# Altium PCB MB1419.PcbDoc (part 2 of 5) (continued)
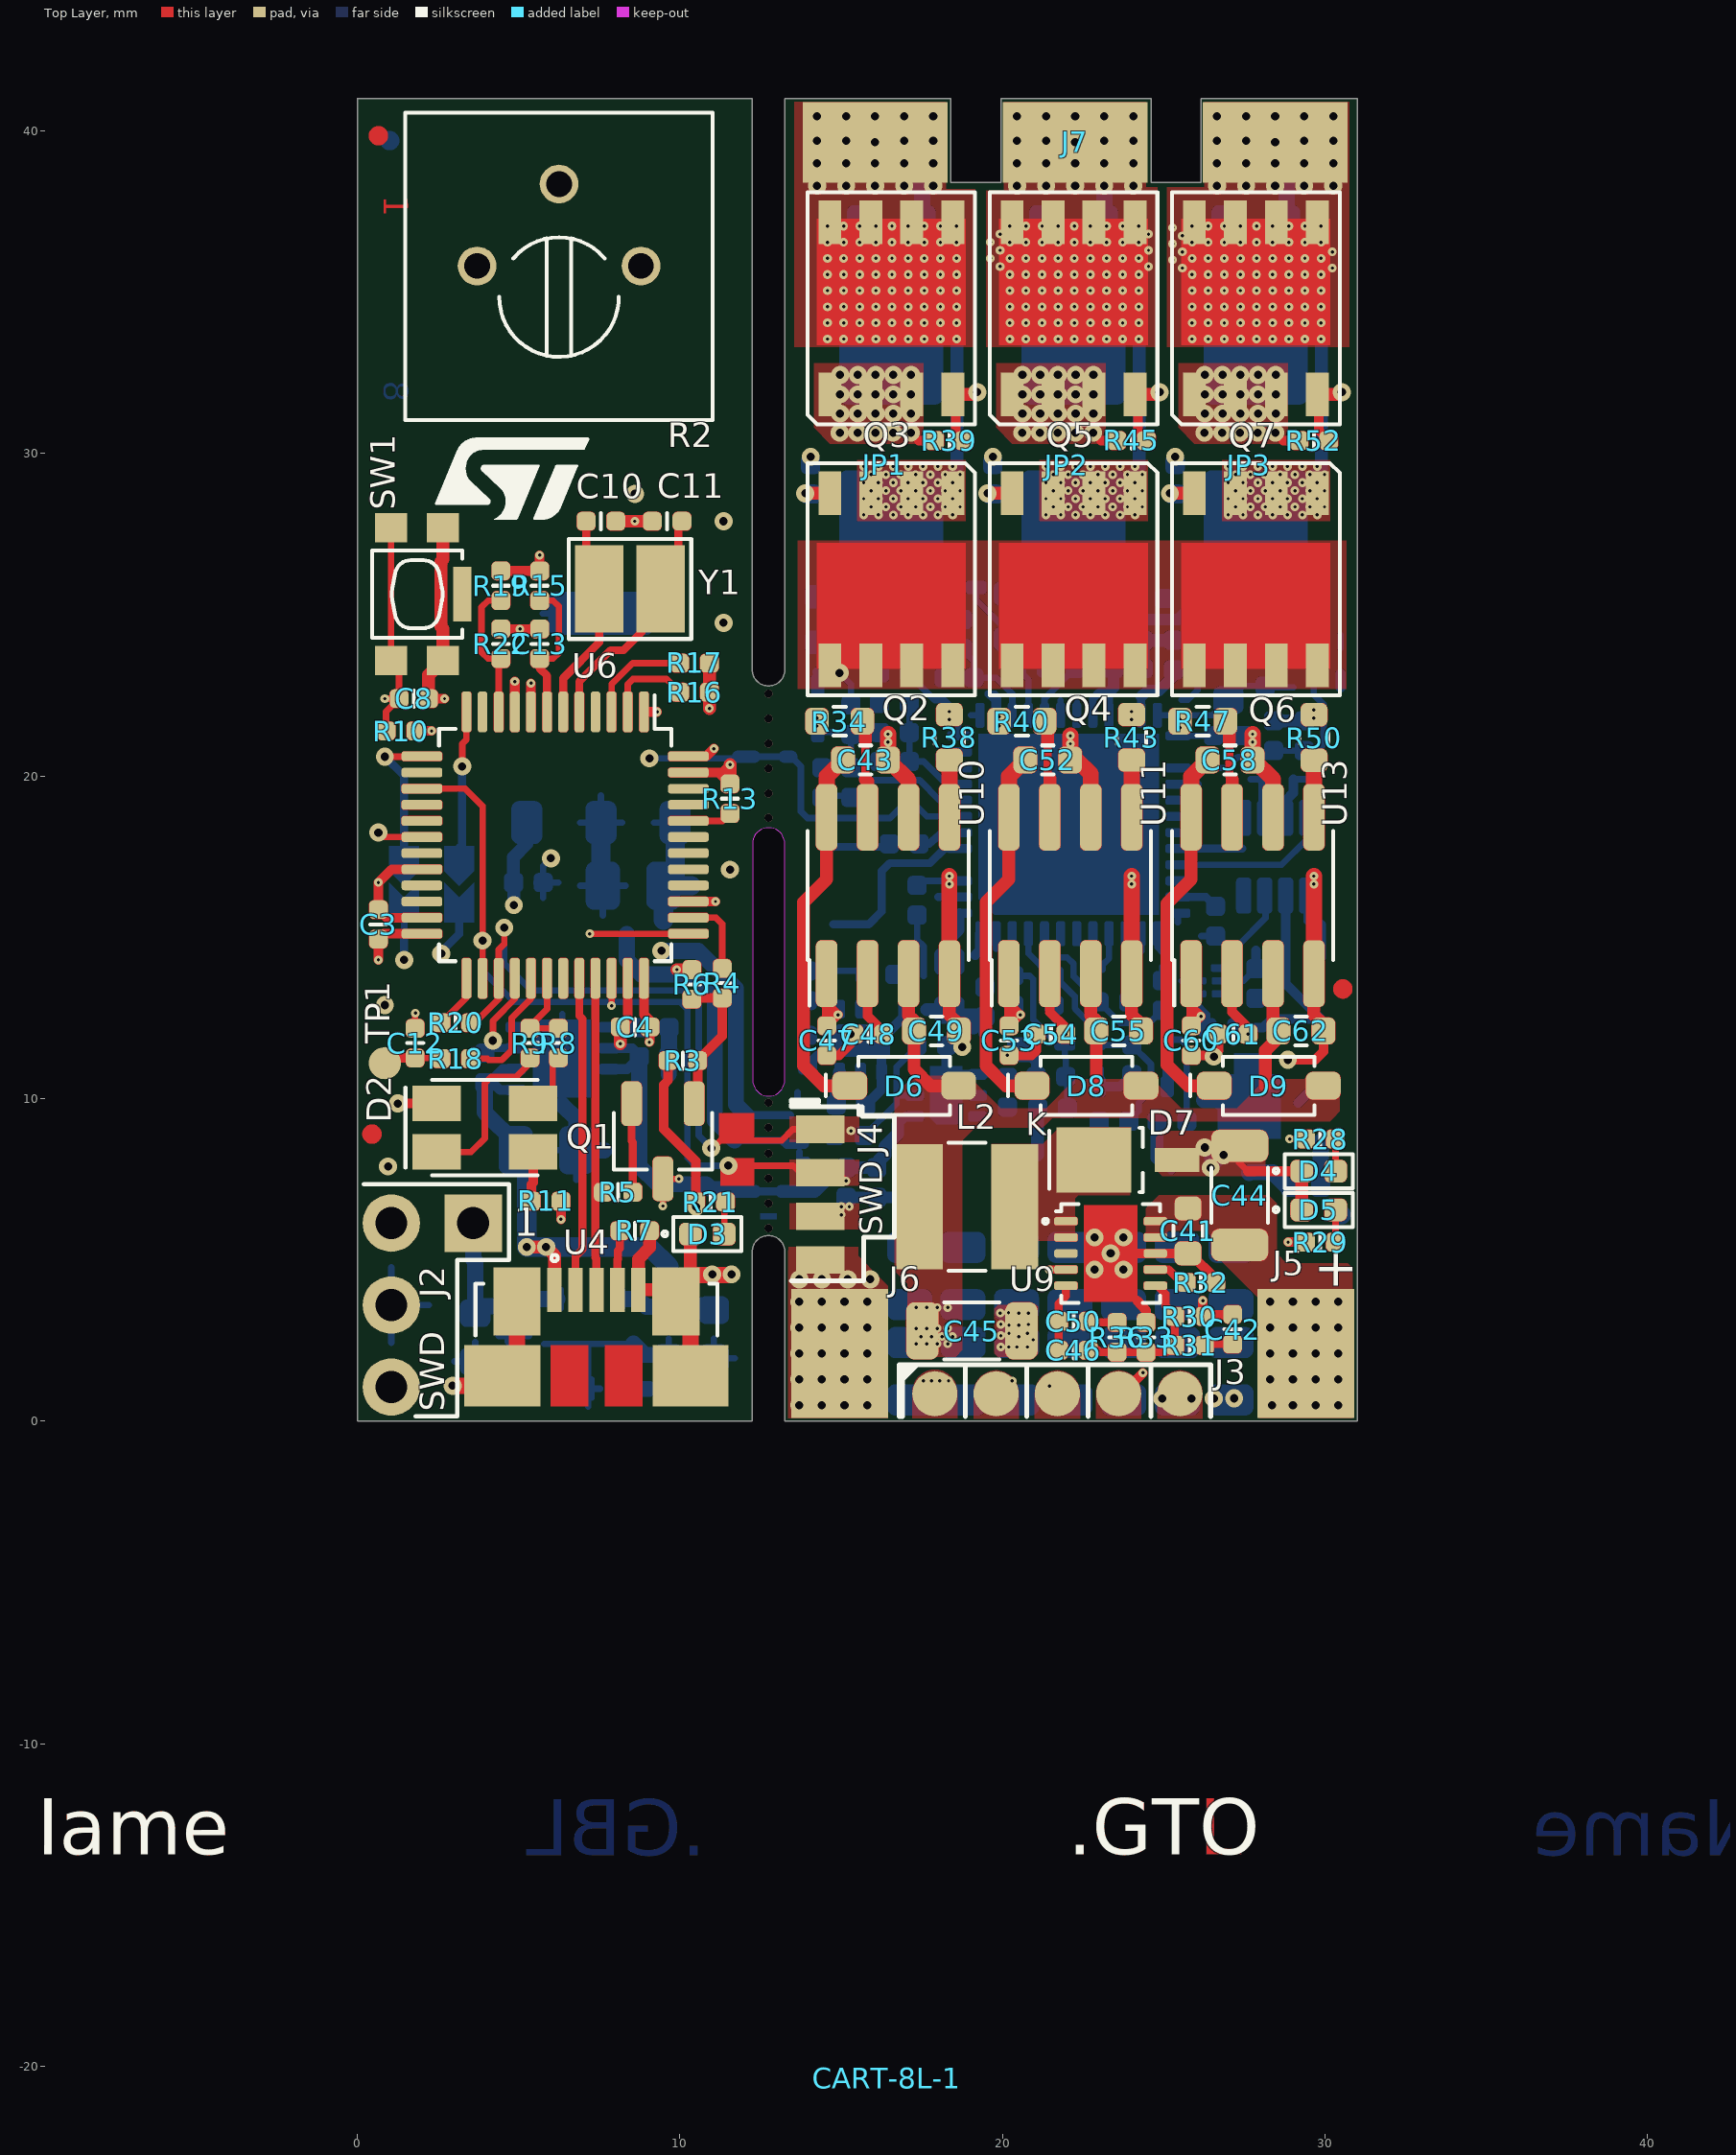
[diagram p0: Top Layer view]
## Nets (pads, with @x,y where several pads share a name; then routed paths per layer and width w, separated by ;. In a path a pad name is that pad's centre, name@x,y a point inside that pad or via, vN(x,y) a via of type N, cw(c..) or ccw(c..) an arc to the next point about the centre after c; other vN are vias at no path point) (continued)
CURR_FDBK3_OPAMP-: JP3.1 U8.19 | length 11.1
  Signal Layer 4 w0.2: v6(22.7,22.8) 22.7,23.3 22.9,23.5 24.45,23.5 25.4,24.45 25.4,26.7 26.3,27.6 26.3,29.2 26.75,29.65 JP3.1@27.34,29.65
  Signal Layer 5 w0.2: v4(22.3,22.3) 22.3,22.4 v6(22.7,22.8)
  Bottom Layer w0.2: U8.19@22.3,21.885 v4(22.3,22.3)
  other v1: 22.3,22.3
D: J1.2 U1.1 U2.7 | length 10.7
  Signal Layer 4 w0.2: v6(28.825,15.625) 28.825,13.925 29.4,13.35 v6(29.4,10.55)
  Signal Layer 5 w0.2: v4(28.15,15.6) 28.8,15.6 v6(28.825,15.625) ; v4(29.172,9.872) 29.172,10.322 v6(29.4,10.55)
  Bottom Layer w0.2: U1.1@26.805,14.05 27.04,14.05 27.3,14.31 27.3,14.75 v4(28.15,15.6) 28.15,16.295 U2.7@28.125,16.295
  Bottom Layer w0.3: v4(29.172,9.872) J1.2@29.87,10.57
  other v1: 29.172,9.872 28.15,15.6
GND: C1.2 C2.2 C3.2 C4.2 C5.2 C6.2 C7.2 C8.2 C9.2 C10.1 C11.1 C12.1 C13.2 C14.2 C15.2 C16.2 C17.2 C18.2 C19.1 C20.2 C21.2 C22.2 C23.2 C24.2 C25.2 C26.2 C27.1 C28.1 C29.1 C30.1 C31.1 C32.1 C33.1 C34.1 C35.1 C36.1 C37.1 C38.1 C39.1 C40.1 C41.2 C44.2 C45.1 C47.2 C48.2 C49.2 C51.2 C53.2 C54.2 C55.2 C56.2 C57.2 C59.2 C60.2 C61.2 C62.2 C63.2 C64.2 C65.2 C66.2 C67.2 C68.2 C69.2 C70.2 D2.C1 D3.C D4.C D5.C D7.A D20.A J1.4 J2.3 J3.5 J4.4 J6.1 J8.5 JP1.2 JP2.2 JP3.2 R2.1 R6.1 R7.1 R13.2 R14.2 R16.2 R17.2 R22.2 R32.2 R33.1 R46.2 R53.2 R54.2 R55.2 R56.2 R60.2 R76.2 R80.1 R81.1 R82.1 SW1.1 SW1.2 U1.5 U2.2 U2.8 U3.1 U4.5 U4.6 U4.7 U4.8 U4.9 U5.4 U5.9 U6.8 U6.20 U6.23 U6.35 U6.47 U7.2 U7.7 U8.49 U9.8 U9.11 U10.4 U11.4 U12.4 U12.7 U13.4 U14.4 U14.7 Y2.2 | length 257.3
  Top Layer w0.2: C12.1@1.79,12.18 1.79,12.64 v2(1.8,12.65) ; v5(23.75,4.7) 23.75,4.159 24.169,3.74 ; 26.21,11.34 26.25,11.3 v5(26.55,11.3) 26.69,11.44 v5@26.69,11.483 ; 27.333,8.017 27.6,7.75
  Top Layer w0.3: v5(1.25,9.85) D2.C1@2.45,9.85 ; U6.23@2,15.61 0.9,15.61 C3.2@0.65,15.86 v2(0.65,16.7) 1.06,17.11 U6.20@2,17.11 ; C8.2@2.21,22.4 v2(2.7,22.4) ; R22.2@4.45,24.56 v2(5.04,24.56) C13.2@5.65,24.56 ; U6.8@5.38,21.99 v2(5.38,22.88) ; C4.2@8.15,12.22 8.38,12.45 U6.35@8.38,13.73 ; U6.47@10.26,20.11 11.2,20.11 ; R13.2@11.55,19.76 11.2,20.11 ; v2(11.55,20.35) 11.31,20.11 11.2,20.11 ; C47.2@14.55,11.34 14.93,11.34 15.29,11.7 v5(15.29,12) C48.2@15.39,12 ; C49.2@18.645,12.1 18.645,11.705 v5(18.75,11.6) ; C53.2@20.2,11.34 20.897,11.34 21.04,11.483 C54.2@21.04,12 ; 23.35,4.7 v5(23.35,5.2) U9.8@24.735,5.2 25.103,5.2 25.108,5.205 C41.2@25.75,5.205 25.805,5.205 26.61,4.4 R32.2@26.61,4.3 ; 24.169,3.74 24.45,3.43 R33.1@24.45,3.06 ; C60.2@25.85,11.34 26.21,11.34 26.547,11.34 26.69,11.483 C61.2@26.69,12 ; 27.6,7.75 D4.C@29.275,7.75 ; v5(28.841,11.205) 29.692,11.205 29.945,11.458 C62.2@29.945,12.1
  Top Layer w0.4: C8.2@2.21,22.4 2.21,23.14 SW1.2@2.655,23.584 2.655,24.568 2.59,24.633 2.59,26.648 2.655,26.712 SW1.1@2.655,27.695 ; C10.1@8.01,27.9 v2(8.6,27.9) C11.1@9.14,27.9 ; v2(8.15,11.7) C4.2@8.15,12.22 ; R7.1@9.06,5.9 9.06,5.383 8.71,5.033 U4.5@8.71,4.074 9.505,4.074 U4.7@9.873,3.706 U4.7@9.873,4.073 ; v2(9.9,14) R6.1@10.37,14 ; D3.C@10.325,5.8 10.325,4.575 9.873,4.123 U4.7@9.873,4.073 ; U4.7@10.335,4.535 U4.7@9.873,4.073 ; v2(10.91,22.1) R17.2@10.91,23.5 ; R13.2@11.55,19.76 v2(11.55,20.35) ; U10.4@18.355,13.575 U10.4@18.355,13.875 18.35,13.87 18.35,12.6 18.645,12.305 C49.2@18.645,12.1 ; U11.4@24.005,13.575 U11.4@24.005,13.875 24,13.87 24,12.6 24.295,12.305 v2(24.295,12.1) ; D5.C@29.275,6.55 D4.C@29.275,7.75 ; U13.4@29.655,13.575 U13.4@29.655,13.875 29.65,13.87 29.65,12.6 29.945,12.305 C62.2@29.945,12.1
  Top Layer w0.5: v5(2.95,1.1) 4.181,1.1 U4.8@4.491,1.41 4.947,1.866 U4.6@4.947,3.706 ; U4.7@9.873,3.706 10.329,3.25 U4.9@10.329,1.41 ; U4.7@10.335,4.535 10.985,4.535 v5(11,4.55) 11.015,4.535 v5@11.515,4.535 ; v2(18.35,16.9) v2(18.35,16.65) 18.35,13.88 U10.4@18.355,13.875 ; v2(24,16.9) v2(24,16.65) 24,13.88 U11.4@24.005,13.875 ; v2(29.65,16.9) v2(29.65,16.65) 29.65,13.88 U13.4@29.655,13.875
  Signal Layer 1 w0.27: v3(19.925,3.35) 19.94,3.365 v2(20.185,3.365) ; v3(19.947,2.302) v2(20.197,2.302) ; v3(19.947,2.652) 20.127,2.652 v3(20.2,2.725)
  Signal Layer 2 w0.2: 1.05,2.433 J2.3@1.05,3.6 ; 1.05,4.767 J2.3@1.05,3.6 ; 2.217,3.6 J2.3@1.05,3.6 ; 2.832,35.815 R2.1@3.71,35.815 ; 3.71,34.937 R2.1@3.71,35.815 ; 3.71,36.693 R2.1@3.71,35.815 ; 4.588,35.815 R2.1@3.71,35.815 ; v6(19.85,11.05) v2(20.15,11.35) ; v6@20.697,3.352 20.747,3.352 20.897,3.202 v6(21.1,3.202) ; v6(24.09,11.626) 24.1,11.636 24.1,11.65 24.295,11.845 v2(24.295,12.1)
  Signal Layer 2 w0.4: v6(18.2,17.25) 18.35,17.1 v2(18.35,16.9) v2(18.35,16.65) ; v2(24,16.65) v2(24,16.9) v6(24,17.45) ; v2(29.65,16.65) v2(29.65,16.9) v6(29.65,17.45)
  Signal Layer 3 w0.2: 1.05,2.433 J2.3@1.05,3.6 1.05,4.767 ; 2.832,35.815 R2.1@3.71,35.815 ; 3.71,34.937 R2.1@3.71,35.815 ; 3.71,36.693 R2.1@3.71,35.815 ; 4.588,35.815 R2.1@3.71,35.815
  Signal Layer 3 w0.4: v1(18.05,27.2) 18.05,26.55 17.521,26.021 17.521,22.139 18.5,21.16 18.5,20.1 18.2,19.8 v6(18.2,17.25) ; v1(23.7,27.2) 23.7,21.55 24,21.25 v6(24,17.45) ; v1(29.35,27.2) 29.35,26.594 29.516,26.428 29.516,21.234 29.65,21.1 v6(29.65,17.45)
  Signal Layer 4 w0.2: 1.05,2.433 J2.3@1.05,3.6 ; 1.05,4.767 J2.3@1.05,3.6 ; 2.217,3.6 J2.3@1.05,3.6 ; 2.832,35.815 R2.1@3.71,35.815 ; 3.71,34.937 R2.1@3.71,35.815 ; 3.71,36.693 R2.1@3.71,35.815 ; 4.588,35.815 R2.1@3.71,35.815 ; JP1.2@16.635,29.65 16.75,29.65 16.95,29.45 v1(16.95,29) ; JP2.2@22.285,29.65 22.4,29.65 22.6,29.45 v1(22.6,29) ; JP3.2@27.935,29.65 28.05,29.65 28.25,29.45 v1(28.25,29)
  Signal Layer 5 w0.2: v6(16.542,0.45) 16.592,0.4 v1(16.592,0.298) ; v6(19.85,11.05) v4(19.85,11.45) ; v6(24.09,11.626) v4(24.09,12.05)
  Signal Layer 5 w0.27: v4(16.9,0.3) 16.9,0.45 ; v4(17.2,0.3) 17.2,0.45 ; 16.342,0.65 v6(16.542,0.45) 16.9,0.45 ; 16.342,0.65 v4(16.2,0.65) v4(16.2,0.3) 16.202,0.298 v1(16.592,0.298) v4(22.192,0.298) v4(23.592,0.298) v4(23.942,0.298) v4(24.292,0.298) v4(24.292,0.648) ; 16.342,0.65 v4(16.9,0.65) ; 16.9,0.45 17.2,0.45 ; 16.9,0.45 v4(16.9,0.65) ; v4(16.9,0.65) v4(17.2,0.65) ; 17.2,0.45 v6(17.542,0.45) v6(18.542,0.45) v6(19.542,0.45) v6(20.542,0.45) v6(21.542,0.45) v6(22.542,0.45) v6(23.292,0.45) 24.094,0.45 v4(24.292,0.648) ; 17.2,0.45 v4(17.2,0.65) ; v4(17.2,0.65) v4(17.9,0.65) v4(18.2,0.65) v4(18.9,0.65) v4(19.2,0.65) v4(19.9,0.65) v4(20.2,0.65) v4(20.875,0.65) v4(21.2,0.65) v4(21.875,0.65) v4(22.925,0.65) 24.289,0.65 v4(24.292,0.648)
  Signal Layer 6 w0.2: 1.05,2.433 J2.3@1.05,3.6 ; 1.05,4.767 J2.3@1.05,3.6 ; 2.217,3.6 J2.3@1.05,3.6 ; 2.832,35.815 R2.1@3.71,35.815 ; 3.71,34.937 R2.1@3.71,35.815 ; 3.71,36.693 R2.1@3.71,35.815 ; 4.588,35.815 R2.1@3.71,35.815 ; 11.75,6.5 11.893,6.357 13.34,6.357 13.483,6.5 13.75,6.5 ; v5(26.55,11.3) 26.85,11.3
  Bottom Layer w0.2: 1.05,2.433 J2.3@1.05,3.6 ; 1.05,4.767 J2.3@1.05,3.6 ; 2.217,3.6 J2.3@1.05,3.6 ; 3.007,1.855 C16.2@3.65,1.855 ; 3.65,1.257 C16.2@3.65,1.855 ; 3.65,2.453 C16.2@3.65,1.855 ; 4.382,2.64 C17.2@4.85,2.64 5.318,2.64 ; 5.375,12.215 v1(6.35,11.24) ; 5.76,16.232 C5.2@5.76,16.7 ; 5.79,2.4 v1(6.2,2.4) v1(6.65,2.4) v1(7.15,2.4) ; C5.2@5.91,16.6 5.86,16.6 C5.2@5.76,16.7 ; v5(6,17.45) 5.76,17.21 C5.2@5.76,16.7 ; 6.087,8.4 C7.2@6.79,8.4 6.79,7.482 ; 6.228,16.7 C5.2@5.76,16.7 ; 6.35,9.862 v1(6.35,10.29) v1(6.35,10.79) v1(6.35,11.24) ; 6.35,12.618 v1(6.35,12.19) v1(6.35,11.74) v1(6.35,11.24) ; 6.772,1.01 U7.2@7.15,1.01 ; 7.15,0.457 U7.2@7.15,1.01 ; 7.528,1.01 U7.2@7.15,1.01 ; 8.51,2.4 v1(8.1,2.4) v1(7.65,2.4) v1(7.15,2.4) ; 9.007,1.955 C14.2@9.65,1.955 ; 9.197,18.56 U3.1@9.85,18.56 10.503,18.56 ; 9.65,1.357 C14.2@9.65,1.955 ; 9.65,2.553 C14.2@9.65,1.955 ; v1(9.65,10.75) v1@9.66,10.74 ; C9.2@9.65,11.26 9.65,11.29 C9.2@9.66,11.3 v1@9.66,10.74 ; v1(9.65,11.75) v1@9.66,11.76 ; 9.66,10.614 v1@9.66,10.74 ; 10.293,1.955 C14.2@9.65,1.955 ; 10.407,1.955 C15.2@11.05,1.955 ; 11.05,2.553 C15.2@11.05,1.955 ; 11.693,1.955 C15.2@11.05,1.955 ; C23.2@14.4,19.34 14.45,19.39 v1(14.823,19.39) 15.25,19.39 R76.2@15.3,19.34 ; v5(15.29,12) 15.49,11.8 U14.7@15.6,11.8 15.7,11.8 ; 16,11.8 v1@15.95,11.8 ; R54.2@16.45,28.085 R54.2@16.55,28.085 16.85,28.085 R54.2@17.248,28.483 ; v1(17.6,7.75) J8.5@17.65,7.7 ; U12.7@18.25,10.1 v1(18.25,10.35) 18.26,10.36 v1(18.26,10.76) ; U12.4@19.225,10.75 19.732,10.75 19.822,10.66 v1(20.15,10.66) ; v1(20.35,12.45) C69.2@20.35,12.89 ; v1(21.6,12.45) C68.2@21.6,12.89 ; R55.2@22.1,28.085 R55.2@22.2,28.085 22.5,28.085 22.695,28.28 R55.2@22.898,28.483 ; v1@25.55,13.65 U1.5@25.98,13.65 ; v1(26.16,15.04) C20.2@26.6,15.04 ; v1(27.69,19.9) C2.2@28.09,19.9 ; R56.2@27.75,28.085 R56.2@27.85,28.085 28.15,28.085 R56.2@28.548,28.483 ; U7.2@7.15,1.01 v1(7.15,1.9) v1(7.15,2.4) ; 15.7,11.8 15.8,11.7 15.85,11.7 v1@15.95,11.8 ; 15.7,11.8 v1(15.85,11.8) v1@15.95,11.8
  Bottom Layer w0.22: C34.1@17.12,0.66 ccw(c17.482,0.66) 17.482,0.298 18.418,0.298 ccw(c18.418,0.66) C30.1@18.78,0.66
  Bottom Layer w0.3: U5.4@4.905,12.215 5.375,12.215 ; C64.2@13.95,11.04 14.25,11.34 14.289,11.34 14.649,11.7 15.19,11.7 15.29,11.8 v5(15.29,12) ; C63.2@15.76,9.8 16.25,10.29 U14.4@16.25,10.825 v1(16.25,11.482) 16.032,11.7 v1@15.85,11.7 ; 16,11.8 16.1,11.9 16.3,11.9 16.4,12 16.918,12.518 16.918,13.592 R53.2@16.66,13.85 ; U12.7@18.25,10.1 v1(18.25,9.9) v1(18.25,9.45) v1(18.55,9.45) v1@18.55,9.4 ; v5(18.75,11.6) 18.7,11.65 R46.2@18.26,11.65 v1(18.26,10.76) 18.647,10.76 18.657,10.75 U12.4@19.225,10.75 ; C1.2@27.85,13.11 v1(28.377,13.11) ; v1(29.87,14.37) v1(29.87,15.4)
  Bottom Layer w0.35: C57.2@15.15,6.94 v1(16.1,6.94) 16.89,6.94 J8.5@17.65,7.7
  Bottom Layer w0.4: C51.2@17.095,35.4 17.842,35.4 18.587,34.655 18.587,29.537 v1(18.05,29) ; v1(17.655,12.755) C19.1@18.35,12.755 18.505,12.6 19.39,12.6 C18.2@19.45,12.54 ; v1(19.05,12.2) 19.11,12.2 C18.2@19.45,12.54 ; v1(19.45,12.05) C18.2@19.45,12.54 ; C59.2@22.745,35.4 23.492,35.4 24.237,34.655 24.237,29.537 v1(23.7,29) ; C25.2@24.36,23.33 C26.2@24.36,24.2 24.37,24.21 v1(25.3,24.21) ; v5(26.265,8.485) 26.45,8.3 v5(26.45,7.85) v5(26.85,8.25) ; C2.2@28.09,19.9 28.125,19.865 U2.2@28.125,18.705 ; C65.2@28.395,35.4 29.142,35.4 29.887,34.655 29.887,29.537 v1(29.35,29) ; v1(28.4,21.71) R60.2@29.35,21.71
  Bottom Layer w0.5: C16.2@3.65,1.855 4.795,1.855 4.85,1.91 C17.2@4.85,2.64 ; 6.35,9.813 6.79,9.373 C7.2@6.79,8.4 v1(7.65,8.4) ; 8.56,2.4 8.905,2.055 9.55,2.055 C14.2@9.65,1.955 ; v1(9.65,10.75) C9.2@9.65,11.26 ; C9.2@9.66,11.3 9.66,11.76 R14.2@9.66,12.2
  Bottom Layer w0.6: C5.2@5.75,16.69 C5.2@5.76,16.7 ; v1(9.49,15.54) C6.2@9.49,16.6 ; C14.2@9.65,1.955 9.75,2.055 10.95,2.055 C15.2@11.05,1.955 11.05,1.229 ; U3.1@9.85,18.56 9.85,16.96 C6.2@9.49,16.6 ; v1(10.35,16.6) C6.2@9.49,16.6
  other v1: 21.492,0.298 22.192,0.298 22.542,0.298 23.242,0.298 23.592,0.298 23.942,0.298 24.292,0.298 16.9,0.3 17.2,0.3 17.575,0.3 17.925,0.3 18.225,0.3 18.6,0.3 18.9,0.3 19.2,0.3 19.55,0.3 19.9,0.3 20.2,0.3 20.55,0.3 20.875,0.3 21.2,0.3 21.875,0.3 22.925,0.3 16.592,0.648 16.9,0.65 17.2,0.65 17.575,0.65 17.9,0.65 18.2,0.65 18.6,0.65 18.9,0.65 19.2,0.65 19.55,0.65 19.9,0.65 20.2,0.65 20.55,0.65 20.875,0.65 21.2,0.65 21.492,0.648 21.875,0.65 22.192,0.648 22.542,0.648 22.925,0.65 23.242,0.648 23.592,0.648 23.942,0.648 24.292,0.648 6.2,1.9 6.65,1.9 7.65,1.9 8.1,1.9 6.2,2.9 6.65,2.9 7.15,2.9 7.65,2.9 8.1,2.9 17.95,9.45 17.95,9.9 18.55,9.9 5.8,10.3 6.9,10.3 17.95,10.35 18.55,10.35 17.95,10.75 18.6,10.75 5.8,10.8 6.9,10.8 5.8,11.25 6.9,11.25 14.95,11.45 15.85,11.45 5.8,11.75 6.9,11.75 16.25,11.8 14.95,12.15 15.85,12.15 16.25,12.15 5.8,12.2 6.9,12.2 23.91,13 25.575,13.65 9.95,15.55 10.25,15.75 10.35,16.1 27.475,16.275 19.911,16.377 20.611,16.377 21.311,16.377 22.011,16.377 22.711,16.377 23.411,16.377 24.111,16.377 14.75,16.6 19.911,17.077 20.611,17.077 21.311,17.077 22.011,17.077 22.711,17.077 23.411,17.077 24.111,17.077 19.911,17.777 20.611,17.777 21.311,17.777 22.011,17.777 22.711,17.777 23.411,17.777 24.111,17.777 19.911,18.477 20.611,18.477 21.311,18.477 22.011,18.477 22.711,18.477 23.411,18.477 24.111,18.477 19.911,19.177 20.611,19.177 21.311,19.177 22.011,19.177 22.711,19.177 23.411,19.177 24.111,19.177 16.19,19.3 19.911,19.877 20.611,19.877 21.311,19.877 22.011,19.877 22.711,19.877 23.411,19.877 24.111,19.877 19.911,20.577 20.611,20.577 21.311,20.577 22.011,20.577 22.711,20.577 23.411,20.577 24.111,20.577 27.46,21.25 16.19,21.35 18.19,23.05 25.01,25.5 15.275,26.775 15.85,26.775 16.4,26.775 16.95,26.775 17.5,26.775 18.05,26.775 20.925,26.775 21.5,26.775 22.05,26.775 22.6,26.775 23.15,26.775 23.7,26.775 26.575,26.775 27.15,26.775 27.7,26.775 28.25,26.775 28.8,26.775 29.35,26.775 15.55,26.85 21.2,26.85 26.85,26.85 16.125,26.875 16.675,26.875 17.225,26.875 17.775,26.875 21.775,26.875 22.325,26.875 22.875,26.875 23.425,26.875 27.425,26.875 27.975,26.875 28.525,26.875 29.075,26.875 18.35,26.9 24,26.9 29.65,26.9 18.625,26.975 24.275,26.975 29.925,26.975 15.2,27.05 20.85,27.05 26.5,27.05 15.45,27.175 21.1,27.175 26.75,27.175 15.85,27.2 16.4,27.2 16.95,27.2 17.5,27.2 18.475,27.2 21.5,27.2 22.05,27.2 22.6,27.2 23.15,27.2 24.125,27.2 27.15,27.2 27.7,27.2 28.25,27.2 28.8,27.2 29.775,27.2 15.2,27.325 20.85,27.325 26.5,27.325 15.575,27.5 16.125,27.5 16.675,27.5 17.225,27.5 17.775,27.5 18.35,27.5 21.225,27.5 21.775,27.5 22.325,27.5 22.875,27.5 23.425,27.5 24,27.5 26.875,27.5 27.425,27.5 27.975,27.5 28.525,27.5 29.075,27.5 29.65,27.5 15.3,27.575 20.95,27.575 26.6,27.575 15.45,27.8 15.85,27.8 16.4,27.8 16.95,27.8 17.5,27.8 18.05,27.8 18.475,27.8 21.1,27.8 21.5,27.8 22.05,27.8 22.6,27.8 23.15,27.8 23.7,27.8 24.125,27.8 26.75,27.8 27.15,27.8 27.7,27.8 28.25,27.8 28.8,27.8 29.35,27.8 29.775,27.8 15.175,27.9 20.825,27.9 26.475,27.9 15.575,28.1 16.125,28.1 16.675,28.1 17.216,28.09 17.775,28.1 18.35,28.1 18.65,28.1 21.225,28.1 21.775,28.1 22.325,28.1 22.866,28.09 23.425,28.1 24,28.1 24.3,28.1 26.875,28.1 27.425,28.1 27.975,28.1 28.516,28.09 29.075,28.1 29.65,28.1 29.95,28.1 15.3,28.15 20.95,28.15 26.6,28.15 15.45,28.375 21.1,28.375 26.75,28.375 15.85,28.4 16.4,28.4 16.95,28.4 17.5,28.4 18.05,28.4 18.475,28.4 21.5,28.4 22.05,28.4 22.6,28.4 23.15,28.4 23.7,28.4 24.125,28.4 27.15,28.4 27.7,28.4 28.25,28.4 28.8,28.4 29.35,28.4 29.775,28.4 15.225,28.55 20.875,28.55 26.525,28.55 15.575,28.7 16.125,28.7 16.675,28.7 17.225,28.7 17.775,28.7 18.35,28.7 21.225,28.7 21.775,28.7 22.325,28.7 22.875,28.7 23.425,28.7 24,28.7 26.875,28.7 27.425,28.7 27.975,28.7 28.525,28.7 29.075,28.7 29.65,28.7 15.275,28.825 20.925,28.825 26.575,28.825 15.85,29 16.4,29 17.5,29 18.475,29 21.5,29 22.05,29 23.15,29 24.125,29 27.15,29 27.7,29 28.8,29 29.775,29 15.45,29.025 21.1,29.025 26.75,29.025 15.275,29.25 20.925,29.25 26.575,29.25 15.55,29.325 16.125,29.325 16.675,29.325 17.225,29.325 17.775,29.325 18.35,29.325 21.2,29.325 21.775,29.325 22.325,29.325 22.875,29.325 23.425,29.325 24,29.325 26.85,29.325 27.425,29.325 27.975,29.325 28.525,29.325 29.075,29.325 29.65,29.325 15.85,29.35 16.4,29.35 16.95,29.35 17.5,29.35 18.05,29.35 21.5,29.35 22.05,29.35 22.6,29.35 23.15,29.35 23.7,29.35 27.15,29.35 27.7,29.35 28.25,29.35 28.8,29.35 29.35,29.35
  other v2: 20.775,2.3 21.3,2.3 20.2,2.725 20.775,2.725 19.725,2.875 21.3,2.875 20.2,2.975 20.8,3 20.8,3.35
  other v3: 20.197,2.302 20.447,2.302 20.775,2.3 20.95,2.525 20.5,2.625 20.775,2.725 20.2,2.975 20.5,2.975 19.947,3.002 20.8,3 20.185,3.365 20.5,3.35 20.8,3.35 20.15,11.35 8.15,11.7 24.295,12.1 1.8,12.65 9.9,14 18.35,16.65 24,16.65 29.65,16.65 0.65,16.7 18.35,16.9 24,16.9 29.65,16.9 11.55,20.35 10.91,22.1 2.7,22.4 5.38,22.88 5.04,24.56 8.6,27.9
  other v4: 17.925,0.3 18.225,0.3 18.9,0.3 19.2,0.3 19.9,0.3 20.2,0.3 20.875,0.3 21.2,0.3 21.875,0.3 22.925,0.3 22.192,0.648 23.592,0.648 23.942,0.648 19.65,2.2 20.1,2.2 20.55,2.2 21,2.2 21.4,2.2 19.65,2.9 20.1,2.9 20.65,2.9 20.925,2.9 21.4,2.9 19.65,3.55 20.1,3.55 20.55,3.55 21,3.55 21.4,3.55 15.275,26.775 15.85,26.775 16.4,26.775 16.95,26.775 17.5,26.775 18.05,26.775 20.925,26.775 21.5,26.775 22.05,26.775 22.6,26.775 23.15,26.775 23.7,26.775 26.575,26.775 27.15,26.775 27.7,26.775 28.25,26.775 28.8,26.775 29.35,26.775 15.55,26.85 21.2,26.85 26.85,26.85 16.125,26.875 16.675,26.875 17.225,26.875 17.775,26.875 21.775,26.875 22.325,26.875 22.875,26.875 23.425,26.875 27.425,26.875 27.975,26.875 28.525,26.875 29.075,26.875 18.35,26.9 24,26.9 29.65,26.9 18.625,26.975 24.275,26.975 29.925,26.975 15.2,27.05 20.85,27.05 26.5,27.05 15.45,27.175 21.1,27.175 26.75,27.175 18.475,27.2 24.125,27.2 29.775,27.2 15.2,27.325 20.85,27.325 26.5,27.325 15.575,27.5 16.125,27.5 16.675,27.5 17.225,27.5 17.775,27.5 18.35,27.5 21.225,27.5 21.775,27.5 22.325,27.5 22.875,27.5 23.425,27.5 24,27.5 26.875,27.5 27.425,27.5 27.975,27.5 28.525,27.5 29.075,27.5 29.65,27.5 15.3,27.575 20.95,27.575 26.6,27.575 15.45,27.8 18.475,27.8 21.1,27.8 24.125,27.8 26.75,27.8 29.775,27.8 15.175,27.9 20.825,27.9 26.475,27.9 15.575,28.1 16.125,28.1 16.675,28.1 17.216,28.09 17.775,28.1 18.35,28.1 18.65,28.1 21.225,28.1 21.775,28.1 22.325,28.1 22.866,28.09 23.425,28.1 24,28.1 24.3,28.1 26.875,28.1 27.425,28.1 27.975,28.1 28.516,28.09 29.075,28.1 29.65,28.1 29.95,28.1 15.3,28.15 20.95,28.15 26.6,28.15 15.45,28.375 21.1,28.375 26.75,28.375 18.475,28.4 24.125,28.4 29.775,28.4 15.225,28.55 20.875,28.55 26.525,28.55 15.575,28.7 16.125,28.7 16.675,28.7 17.225,28.7 17.775,28.7 18.35,28.7 21.225,28.7 21.775,28.7 22.325,28.7 22.875,28.7 23.425,28.7 24,28.7 26.875,28.7 27.425,28.7 27.975,28.7 28.525,28.7 29.075,28.7 29.65,28.7 15.275,28.825 20.925,28.825 26.575,28.825 18.475,29 24.125,29 29.775,29 15.45,29.025 21.1,29.025 26.75,29.025 15.275,29.25 20.925,29.25 26.575,29.25 15.55,29.325 16.125,29.325 16.675,29.325 17.225,29.325 17.775,29.325 18.35,29.325 21.2,29.325 21.775,29.325 22.325,29.325 22.875,29.325 23.425,29.325 24,29.325 26.85,29.325 27.425,29.325 27.975,29.325 28.525,29.325 29.075,29.325 29.65,29.325 15.85,29.35 16.4,29.35 16.95,29.35 17.5,29.35 18.05,29.35 21.5,29.35 22.05,29.35 22.6,29.35 23.15,29.35 23.7,29.35 27.15,29.35 27.7,29.35 28.25,29.35 28.8,29.35 29.35,29.35
  other v5: 13.7,0.5 14.4,0.5 15.1,0.5 15.8,0.5 24.95,0.7 25.85,0.7 26.55,0.7 27.18,0.71 13.7,1.3 14.4,1.3 15.1,1.3 15.8,1.3 13.7,2.1 14.4,2.1 15.1,2.1 15.8,2.1 13.7,2.9 14.4,2.9 15.1,2.9 15.8,2.9 13.7,3.7 14.4,3.7 15.1,3.7 15.8,3.7 13.7,4.4 14.4,4.4 15.2,4.4 15.9,4.4 11.6,4.55 22.85,4.7 22.85,5.7 23.75,5.7 0.95,7.9 0.85,12.9 11.55,17.1 11.35,24.75 11.35,27.9 8.6,28.75
  other v6: 19.885,2.55 20.485,2.55 21.085,2.55 19.885,3.2 20.485,3.2 15.85,27.2 16.4,27.2 16.95,27.2 17.5,27.2 18.05,27.2 21.5,27.2 22.05,27.2 22.6,27.2 23.15,27.2 23.7,27.2 27.15,27.2 27.7,27.2 28.25,27.2 28.8,27.2 29.35,27.2 15.85,27.8 16.4,27.8 16.95,27.8 17.5,27.8 18.05,27.8 21.5,27.8 22.05,27.8 22.6,27.8 23.15,27.8 23.7,27.8 27.15,27.8 27.7,27.8 28.25,27.8 28.8,27.8 29.35,27.8 15.85,28.4 16.4,28.4 16.95,28.4 17.5,28.4 18.05,28.4 21.5,28.4 22.05,28.4 22.6,28.4 23.15,28.4 23.7,28.4 27.15,28.4 27.7,28.4 28.25,28.4 28.8,28.4 29.35,28.4 15.85,29 16.4,29 16.95,29 17.5,29 18.05,29 21.5,29 22.05,29 22.6,29 23.15,29 23.7,29 27.15,29 27.7,29 28.25,29 28.8,29 29.35,29
GPIO_BEMF: D11.C D13.C D15.C U8.43 | length 30.6
  Signal Layer 4 w0.2: v6(21.8,25) 21.8,24.494 21.798,24.491 21.798,22.688 21.595,22.485 21.595,18.205 21.979,17.821 v6(21.979,14.1)
  Signal Layer 5 w0.2: v4(21.3,25.25) 21.55,25.25 v6(21.8,25) ; v4(21.8,14.9) 21.8,14.563 21.95,14.413 21.95,14.129 v6(21.979,14.1)
  Signal Layer 6 w0.2: v1(15.92,25.63) 16.34,26.05 21.3,26.05 ; v4(21.3,25.25) 21.3,26.05 ; v1(30.48,24.387) 30.48,24.87 29.3,26.05 21.3,26.05
  Bottom Layer w0.2: D11.C@15.55,25.63 v1(15.92,25.63) ; v4(21.3,25.25) D13.C@21.3,25.73 ; v4(21.8,14.9) U8.43@21.8,15.115 ; D15.C@30.48,23.95 v1(30.48,24.387)
  other v1: 21.8,14.9 21.3,25.25
LED_STLINK: R8.1 R9.2 U6.30 | length 2.6
  Top Layer w0.2: R9.2@5.35,12.18 R9.2@5.45,12.28 ; U6.30@5.88,13.73 5.88,12.78 5.45,12.35 R9.2@5.45,12.28 ; R8.1@6.23,12.18 5.55,12.18 R9.2@5.45,12.28
MCO: C12.2 R18.1 TP1.1 | length 1.8
  Top Layer w0.2: C12.2@1.79,11.26 2.57,11.26 R18.1@2.59,11.24
  Top Layer w0.3: TP1.1@0.85,11.1 1.01,11.26 C12.2@1.79,11.26
NetC25_1: C25.1 C26.1 L1.2 U8.20 U8.21 | length 6.6
  Bottom Layer w0.25: U8.20@22.8,21.885 22.8,22.4 23,22.6 23.3,22.6 U8.21@23.3,21.885 ; C25.1@23.44,23.33 C25.1@23.441,23.329
  Bottom Layer w0.35: 23.3,22.6 23.441,22.741 C25.1@23.441,23.329 ; C26.1@23.44,24.2 23.44,24.39 23.905,24.855 25.445,24.855 L1.2@25.94,25.35
  Bottom Layer w0.4: C25.1@23.44,23.33 C26.1@23.44,24.2
NetC42_1: C42.1 R31.1 | length 0.9
  Top Layer w0.25: R31.1@26.26,2.35 26.3,2.39 C42.1@27.13,2.39
NetC43_1: C43.1 D6.C U10.8 | length 11.7
  Top Layer w0.2: D6.C@15.16,10.4 D6.C@15.26,10.4
  Top Layer w0.4: U10.8@14.545,18.725 14.545,16.795 13.835,16.085 13.835,11.015 14.45,10.4 D6.C@15.16,10.4
  Top Layer w0.5: U10.8@14.545,18.725 14.545,19.99 C43.1@15.055,20.5
NetC46_1: C46.1 R30.2 R31.2 R33.2 R36.2 U9.6 | length 4.9
  Top Layer w0.25: C46.1@22.66,2.2 22.952,2.2 23.012,2.14 R36.2@23.55,2.14 R33.2@24.45,2.14 25.08,2.14 25.29,2.35 R31.2@25.34,2.35 R30.2@25.34,3.25 25.34,3.3 25.05,3.59 25.05,3.95 24.8,4.2 U9.6@24.735,4.2
NetC46_2: C46.2 C50.2 U9.5 | length 2.1
  Top Layer w0.25: C46.2@21.74,2.2 C50.2@21.74,3.1 21.74,3.65 21.965,3.875 U9.5@21.965,4.2
NetC50_1: C50.1 R36.1 | length 0.9
  Top Layer w0.25: C50.1@22.66,3.1 22.7,3.06 R36.1@23.55,3.06
NetC51_1: C51.1 R37.2 | length 1.6
  Bottom Layer w0.5: R37.2@15.59,37 15.59,36.083 15.605,36.068 C51.1@15.605,35.4
NetC52_1: C52.1 D8.C U11.8 | length 11.7
  Top Layer w0.2: D8.C@20.81,10.4 D8.C@20.91,10.4
  Top Layer w0.4: U11.8@20.195,18.725 20.195,16.795 19.485,16.085 19.485,11.015 20.1,10.4 D8.C@20.81,10.4
  Top Layer w0.5: U11.8@20.195,18.725 20.195,19.99 C52.1@20.705,20.5
NetC58_1: C58.1 D9.C U13.8 | length 11.7
  Top Layer w0.2: D9.C@26.46,10.4 D9.C@26.56,10.4
  Top Layer w0.4: U13.8@25.845,18.725 25.845,16.795 25.1,16.05 25.1,11.05 25.75,10.4 D9.C@26.46,10.4
  Top Layer w0.5: U13.8@25.845,18.725 25.845,19.99 C58.1@26.355,20.5
NetC59_1: C59.1 R44.2 | length 1.6
  Bottom Layer w0.5: R44.2@21.24,37 21.24,36.083 21.255,36.068 C59.1@21.255,35.4
NetC65_1: C65.1 R51.2 | length 1.6
  Bottom Layer w0.5: R51.2@26.89,37 26.89,36.083 26.905,36.068 C65.1@26.905,35.4
NetD1_A: D1.A F1.2 | length 1.5
  Bottom Layer w0.5: D1.A@27.65,7.701 27.666,7.717 28.373,7.717 28.84,7.25 F1.2@28.94,7.25
NetD2_A1: D2.A1 R8.2 | length 1.8
  Top Layer w0.2: D2.A1@5.45,9.85 5.6,9.85 6.05,10.3 6.05,11.08 R8.2@6.23,11.26
NetD2_A2: D2.A2 R11.2 | length 1.6
  Top Layer w0.3: R11.2@5.39,6.82 5.39,7.337 5.45,7.397 D2.A2@5.45,8.347
NetD2_C2: D2.C2 R9.1 | length 5.2
  Top Layer w0.2: D2.C2@2.45,8.347 3.527,8.347 3.95,8.771 3.95,10.48 4.15,10.68 4.93,10.68 5.35,11.1 R9.1@5.35,11.26
NetD3_A: D3.A R21.2 | length 1
  Top Layer w0.2: D3.A@11.375,5.8 11.375,6.477 11.41,6.512 R21.2@11.41,6.8
NetD4_A: D4.A R28.2 | length 1
  Top Layer w0.2: R28.2@30.31,8.75 30.325,8.735 D4.A@30.325,7.75
NetD5_A: D5.A R29.2 | length 1
  Top Layer w0.2: R29.2@30.31,5.55 30.325,5.565 D5.A@30.325,6.55
NetD7_C: D7.C L2.1 U9.1 U9.2
NetD11_A: D11.A R57.2 | length 1.5
  Bottom Layer w0.2: D11.A@15.55,24.17 16.03,24.17 16.19,24.01 R57.2@16.19,23.2
NetD13_A: D13.A R58.2 | length 0.9
  Bottom Layer w0.2: D13.A@21.3,24.27 21.3,23.41 R58.2@21.36,23.35
NetD15_A: D15.A R59.2 | length 1
  Bottom Layer w0.2: R59.2@28.14,23.71 28.6,23.71 28.84,23.95 D15.A@29.02,23.95
NetF1_1: F1.1 J1.1 | length 1.4
  Bottom Layer w0.5: F1.1@29.86,7.25 29.86,8.66 J1.1@29.87,8.67
NetJ1_3: J1.3 R1.2 U2.6 | length 7
  Bottom Layer w0.3: R1.2@27.26,12.2 28.073,12.2 28.343,12.47 J1.3@29.87,12.47 28.775,13.565 U2.6@28.775,16.295
NetJ8_1: J8.1 R74.1 | length 1.8
  Bottom Layer w0.2: J8.1@24.79,8.16 J8.1@25.2,7.75 25.25,7.75 J8.1@25.3,7.8
  Bottom Layer w0.4: J8.1@24.79,8.16 R74.1@24.79,9.3
NetJ8_2: J8.2 R75.1 | length 1
  Bottom Layer w0.4: J8.2@22.99,8.26 R75.1@22.99,9.3
NetJ8_3: J8.3 R77.2 | length 1.4
  Bottom Layer w0.4: J8.3@21.09,8.26 R77.2@21.09,9.7
NetQ1_1: Q1.1 R3.1 R4.2 R6.2 | length 4.6
  Top Layer w0.3: R6.2@10.37,13.08 10.41,13.12 R4.2@11.31,13.12 11.31,11.94 R3.1@10.55,11.18 10.55,9.955 Q1.1@10.44,9.845
NetQ1_2: Q1.2 R5.1 | length 2.8
  Top Layer w0.25: Q1.2@8.5,9.845 8.5,8.683 8.54,8.643 R5.1@8.54,7.1
NetQ2_4: Q2.4 R34.2 R35.1 | length 8.4
  Top Layer w0.2: R34.2@14.245,21.7 14.245,21.795 v2(14.25,21.8)
  Top Layer w0.4: v5(13.884,28.765) Q2.4@14.645,28.765
  Signal Layer 2 w0.4: v2(14.25,21.55) v2(14.25,21.8) v6(14.25,22.2)
  Signal Layer 3 w0.4: v5(13.884,28.765) 13.884,24.516 14.25,24.15 v6(14.25,22.2)
  Bottom Layer w0.2: v5(13.884,28.765) 14.025,28.765 R35.1@14.05,28.74
  other v3: 14.25,21.55 14.25,21.8
NetQ3_4: Q3.4 R38.2 R39.1 | length 13.2
  Top Layer w0.2: v2(18.35,21.75) R38.2@18.35,21.905
  Top Layer w0.3: Q3.4@18.455,31.835 18.55,31.74 18.55,30.66 R39.1@18.81,30.4
  Top Layer w0.4: Q3.4@18.455,31.835 19.085,31.835 19.15,31.9 v5(19.216,31.9)
  Signal Layer 2 w0.4: v6(18.15,22.4) 18.15,22.2 v2(18.35,22) v2(18.35,21.75)
  Signal Layer 3 w0.4: v6(18.15,22.4) 18.15,25.75 18.771,26.371 18.771,31.455 v5(19.216,31.9)
  other v3: 18.35,21.75 18.35,22